# Altium PCB Mynd_Main.PcbDoc (part 3 of 5) (continued)
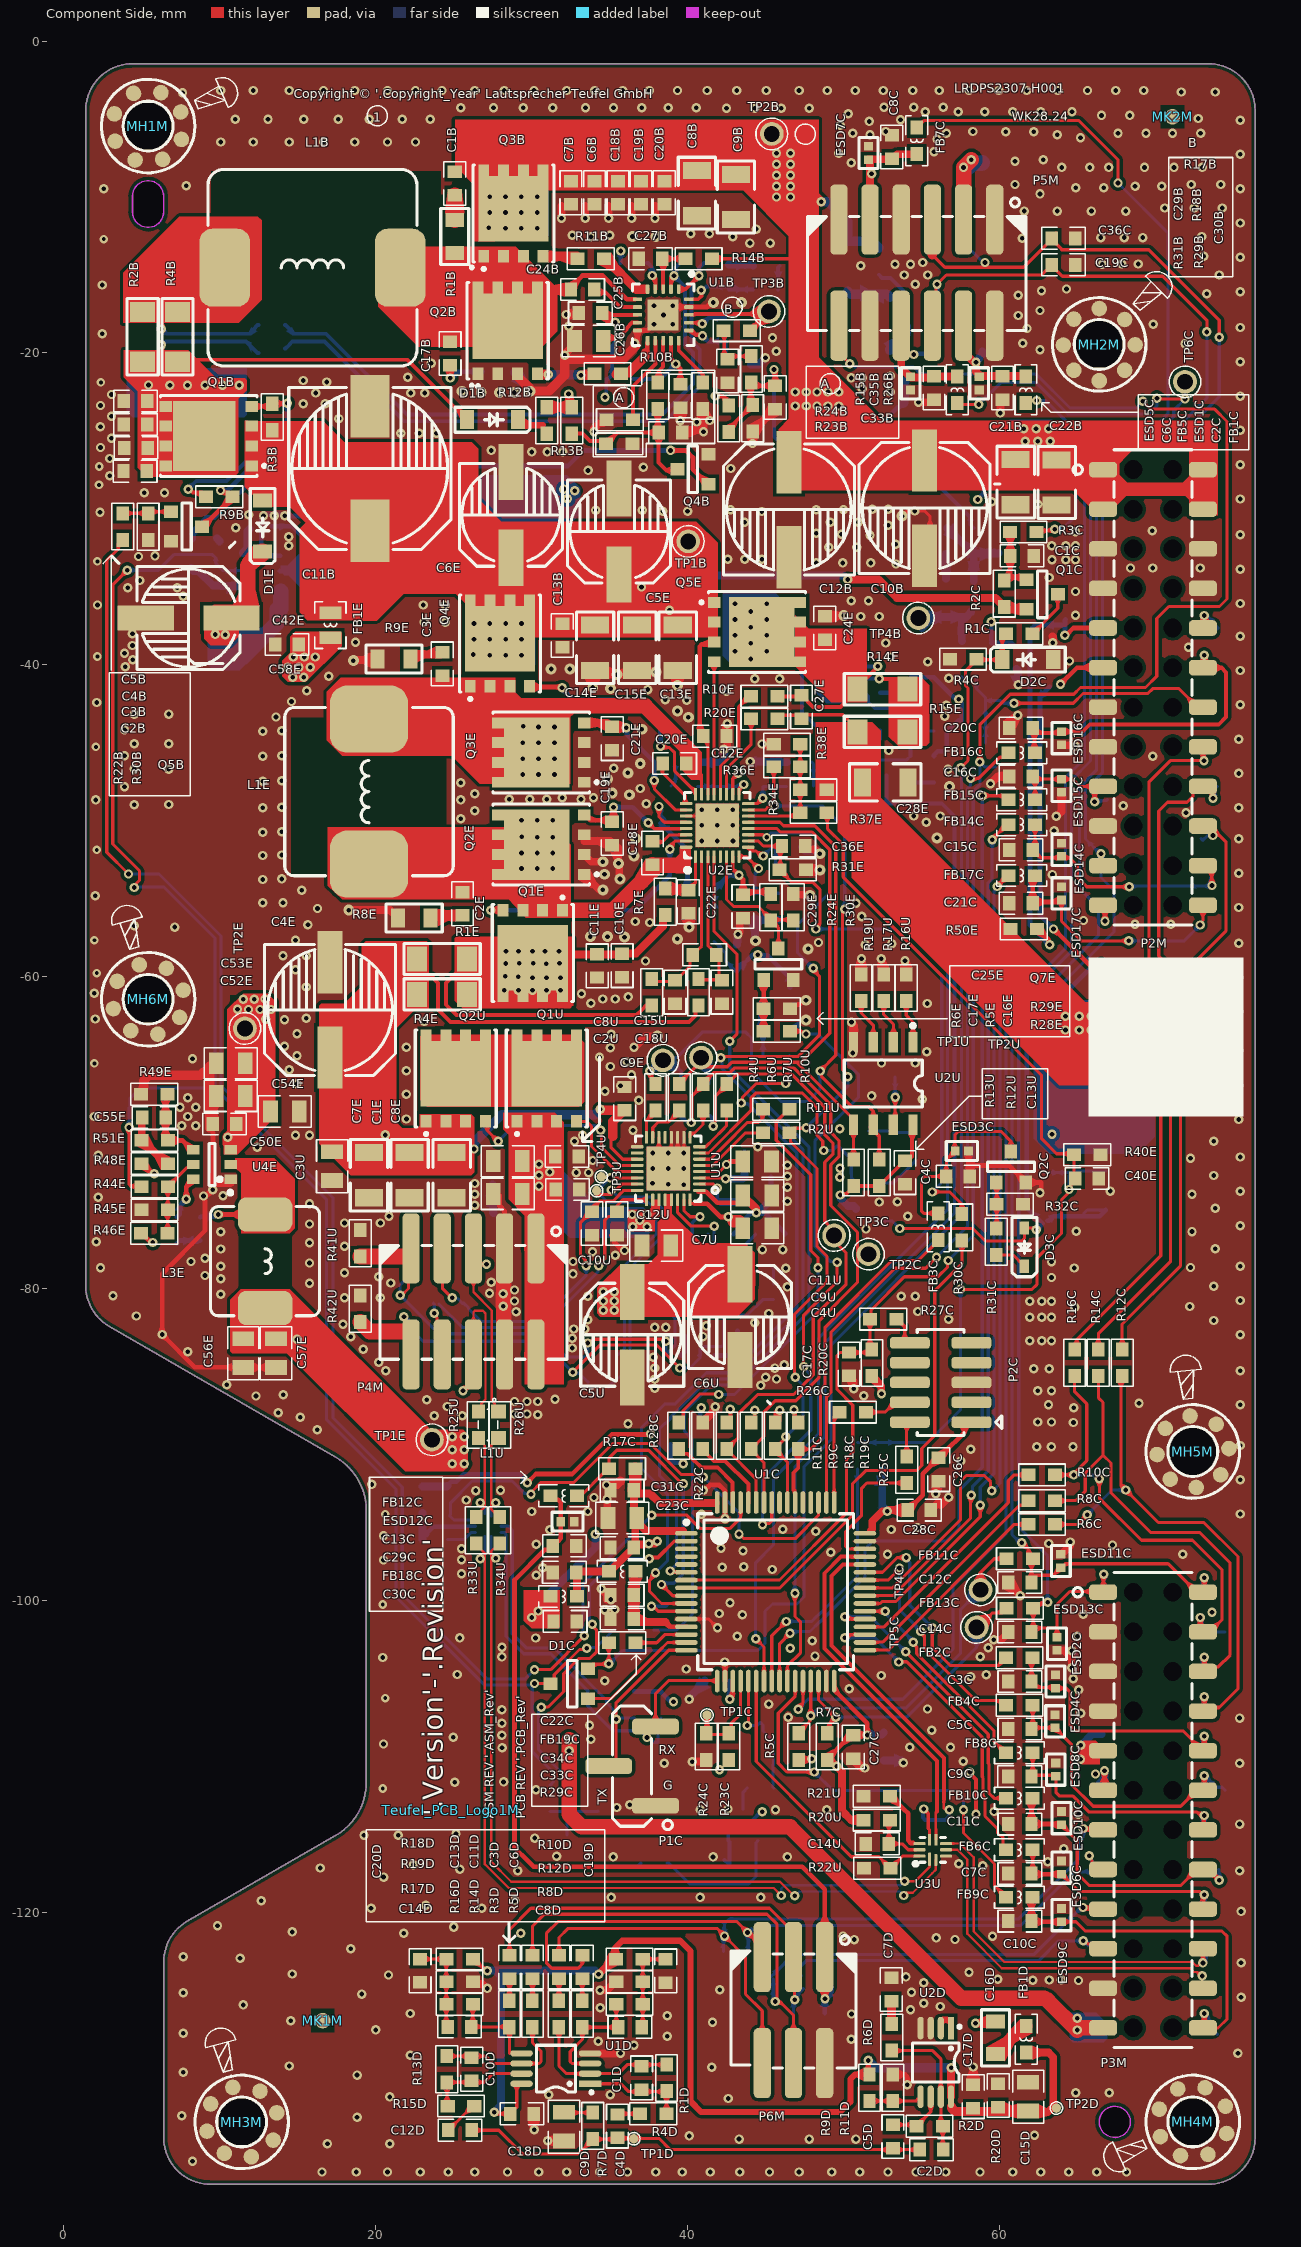
[diagram p0: Component Side view]
## Nets (pads, with @x,y where several pads share a name; then routed paths per layer and width w, separated by ;. In a path a pad name is that pad's centre, name@x,y a point inside that pad or via, vN(x,y) a via of type N, cw(c..) or ccw(c..) an arc to the next point about the centre after c; other vN are vias at no path point) (continued)
  Solder Side w0.8: C23E.2@19.517,-66.666 C23E.2@19.592,-66.432
  other v1: 16.551,-136.665 18.751,-136.665 20.751,-136.665 22.851,-136.665 24.651,-136.665 26.351,-136.666 28.451,-136.666 30.451,-136.666 32.251,-136.666 34.351,-136.666 36.151,-136.666 37.951,-136.666 39.651,-136.666 41.451,-136.666 43.351,-136.666 45.251,-136.666 47.151,-136.666 49.251,-136.666 51.051,-136.666 52.851,-136.666 54.651,-136.666 56.551,-136.666 58.751,-136.666 60.851,-136.666 62.651,-136.666 64.451,-136.666 66.251,-136.666 68.151,-136.666 8.251,-135.965 62.252,-134.297 7.551,-133.065 42.6,-131.95 31.105,-131.707 35.042,-131.707 64.887,-131.58 67.046,-131.58 7.651,-130.266 41.551,-129.95 14.451,-129.865 22.215,-129.167 36.566,-128.532 34.28,-128.278 50.5,-128.15 38.7,-127.95 7.651,-127.766 41.601,-127.065 14.551,-126.965 38.7,-126.65 50.517,-126.532 22.215,-126.5 54.3,-126.25 34.407,-126.119 56.2,-126.05 55.151,-125.85 7.651,-125.166 54.365,-125.133 42.067,-124.982 55.142,-124.532 65.067,-124.382 62.147,-124.357 63.2,-124.35 63.967,-124.332 59.892,-124.307 20.817,-124.032 14.651,-123.966 58.051,-123.85 7.651,-122.865 50.692,-121.757 57.151,-121.75 55.951,-121.65 59.551,-121.55 49.967,-121.532 14.651,-121.266 9.851,-120.865 12.651,-119.265 16.451,-117.165 58.933,-117.029 57.388,-116.898 63.092,-116.757 64.117,-115.932 19.251,-115.066 21.451,-115.066 25.151,-114.966 65.067,-113.732 59.656,-113.538 40.805,-113.425 45.642,-113.432 48.917,-113.432 42.596,-113.386 35.458,-113.284 36.297,-113.106 30.277,-112.141 25.07,-111.674 38.5,-110.45 57.683,-110.312 54.249,-109.427 56.861,-109.427 20.501,-109.216 33.8,-108.9 24.97,-108.774 28.092,-108.661 55.667,-108.333 33.706,-108.001 28.092,-107.874 46.452,-107.49 65.217,-107.232 28.092,-107.01 55.391,-106.971 65.092,-105.732 50.375,-105.675 34.696,-105.156 58.156,-104.91 52.421,-104.823 25.231,-104.757 59.152,-104.768 39.917,-104.407 20.451,-103.666 58.771,-103.608 48.175,-103.575 46.575,-103.075 59.279,-103.045 28.1,-103 47.992,-102.582 25.38,-102.41 30.251,-102.413 43.192,-102.307 64.992,-102.307 43.517,-100.932 65.375,-100.886 42.027,-100.846 73.63,-100.759 35.331,-100.584 42.717,-100.157 30.3,-98.4 25.5,-98.3 45.425,-98.025 30.7,-97.9 42.217,-97.882 43.6,-97.85 20.501,-97.416 25.5,-97.4 52.822,-97.036 71.751,-97.05 49.191,-96.925 43.552,-96.814 25.5,-96.7 42.142,-96.657 67.251,-96.45 30.3,-96.4 63.167,-96.357 20.5,-95.85 48.21,-95.56 31.171,-95.464 46.1,-95.45 53.067,-95.457 54.742,-95.332 40.897,-94.48 75.451,-94.465 30,-94.3 33.6,-94.3 25.81,-93.56 34,-93.4 26.41,-92.96 28,-92.93 19.751,-92.565 75.451,-92.265 57.521,-91.067 58.156,-90.305 64.719,-90.145 75.451,-90.065 16.251,-89.065 36.175,-88.675 64.745,-88.595 62.451,-88.565 63.337,-88.565 15.151,-88.266 23.751,-88.166 25.551,-88.166 30.4,-88.1 28.9,-88.05 29.7,-88.05 13.751,-87.965 64.77,-87.655 24.594,-87.565 63.151,-87.465 75.451,-87.465 68.951,-87.35 28.9,-87.25 29.7,-87.25 30.4,-87.25 23.267,-87.132 31.5,-87.1 12.319,-86.893 51.298,-86.876 14.072,-86.817 62.451,-86.565 63.337,-86.565 10.451,-86.165 37.9,-85.8 45.7,-85.8 20.651,-85.265 75.451,-85.265 20.19,-84.726 7.951,-84.065 19.2,-83.9 32.6,-83.82 61.946,-83.36 62.708,-83.36 63.337,-83.36 32.6,-83.2 18.4,-83.1 75.451,-82.966 32.7,-82.6 33.4,-82.6 17.9,-82.3 73.751,-82.05 33.6,-82 56.739,-81.963 61.946,-81.836 62.708,-81.836 63.337,-81.836 4.651,-81.766 45.2,-81.6 29,-81.5 54.765,-81.475 64.821,-81.209 72.2,-81.15 61.946,-80.82 62.708,-80.82 63.337,-80.82 28.9,-80.8 75.451,-80.766 18,-80.6 20.3,-80.6 33.6,-80.5 53.7,-80.5 54.6,-80.5 3.151,-80.466 10.051,-80.365 27.3,-80.3 28.9,-80.1 73.751,-79.85 15.751,-79.665 20.962,-79.65 27.4,-79.6 10.051,-79.365 63.337,-79.296 20.19,-79.25 9.051,-79.165 32.651,-79.065 18,-79 64.795,-78.689 2.351,-78.665 72.251,-78.65 10.051,-78.565 75.451,-78.565 15.751,-78.365 8.151,-78.265 32.651,-78.265 63.337,-78.28 9.051,-78.065 35.351,-77.865 33.9,-77.65 35.951,-77.565 10.051,-77.465 73.851,-77.45 18,-77.3 15.751,-77.065 2.082,-77.006 10.051,-76.365 72.351,-76.35 64.922,-76.327 51.439,-76.185 75.451,-75.966 15.751,-75.865 18,-75.8 20.3,-75.8 20.851,-75.365 54.127,-75.359 73.851,-74.85 26.351,-74.665 15.751,-74.565 52.3,-74.45 53.457,-74.43 2.2,-74.15 8.951,-74.065 10.2,-74.05 26.351,-73.965 72.351,-73.95 75.451,-73.766 39.762,-73.35 38.762,-73.308 26.351,-73.265 37.755,-73.246 49.764,-72.87 73.751,-72.75 32.851,-72.565 33.651,-72.565 37.762,-72.308 39.762,-72.308 49.779,-72.289 33.923,-71.793 72.251,-71.65 75.451,-71.566 2.2,-71.45 37.762,-71.308 38.762,-71.308 12.4,-70.95 44.5,-70.905 32.751,-70.565 73.751,-70.55 14.851,-70.165 15.751,-70.165 33.26,-70.16 36.5,-69.85 49.76,-69.75 7.551,-69.565 8.451,-69.565 75.351,-69.166 21.967,-69.132 1.951,-68.965 7.951,-68.965 7.451,-68.365 8.451,-68.365 36.867,-67.932 73.751,-67.95 7.951,-67.765 21.967,-67.532 34.7,-67.35 35.7,-67 14.951,-66.865 36.4,-66.3 21.967,-66.032 14.451,-65.965 35.051,-65.765 52.441,-65.54 54.6,-65.54 36.1,-65.45 73.5,-65.35 8.251,-65.265 34.351,-65.165 14.951,-65.065 50.6,-64.9 55.342,-64.818 35.051,-64.565 21.967,-64.532 14.151,-64.465 35.1,-63.7 14.951,-63.665 50.516,-62.913 23.104,-62.873 14.151,-62.765 2.001,-62.716 15.551,-62.665 55.375,-61.725 33.8,-61.7 34.567,-61.432 35.367,-61.432 36.2,-61.3 33.2,-61.1 1.951,-61.065 15.551,-60.665 75.351,-60.066 14.851,-59.565 37.3,-59 14.051,-58.665 15.551,-58.665 51.405,-57.96 53.1,-57.9 75.351,-57.866 48.397,-57.812 14.851,-57.665 15.651,-56.665 68.697,-56.65 70.983,-56.65 37.581,-56.531 36.651,-56.466 65.395,-56.396 16.267,-55.632 75.351,-55.565 50.8,-55.3 12.751,-55.265 14.051,-55.265 2.001,-54.816 15.251,-54.465 12.751,-53.765 13.98,-53.732 75.351,-53.365 12.751,-52.234 13.98,-52.2 40.9,-51.3 41.9,-51.3 42.916,-51.3 75.351,-51.165 12.751,-50.734 13.98,-50.7 40.9,-50.3 41.9,-50.3 42.9,-50.3 55.3,-50.1 25.451,-49.865 54.5,-49.7 56.2,-49.7 71.97,-49.49 26.351,-49.365 40.9,-49.3 41.9,-49.3 42.9,-49.3 12.751,-49.165 75.351,-49.165 13.98,-49.132 67.935,-49.03 4.506,-48.965 6.731,-48.96 37.342,-48.907 2.051,-48.665 25.451,-48.665 28.567,-48.632 29.867,-48.632 30.967,-48.632 33.167,-48.632 31.967,-48.532 33.967,-48.532 26.351,-48.265 36.967,-47.932 3.886,-47.828 59.426,-47.633 25.451,-47.565 12.751,-47.465 13.98,-47.432 75.351,-46.965 6.731,-46.694 56.7,-46.7 4.506,-46.665 35.267,-46.632 12.751,-45.865 69.84,-45.855 13.98,-45.832 3.886,-45.828 52.9,-45.5 4.506,-45.065 6.731,-45.06 75.351,-44.765 12.751,-44.265 13.98,-44.232 3.886,-44.163 13.6,-43.35 56.5,-43.3 4.506,-43.165 6.731,-43.16 56.6,-42.6 75.451,-42.566 2.101,-42.416 14.6,-42.35 39.951,-42.265 38.567,-42.232 42.5,-41.7 15.57,-41.656 37.447,-41.589 44.3,-40.9 45.9,-40.9 16.993,-40.742 75.451,-40.365 55.4,-39.8 64.492,-39.757 53,-39.5 3.886,-39.268 72.126,-38.87 4.394,-38.76 52.7,-38.6 18.7,-38.55 75.451,-38.165 4.394,-37.998 23.1,-37.25 24.451,-37.265 51.1,-36.9 52.3,-36.9 64.88,-36.824 2.151,-36.166 23.051,-36.165 24.451,-36.165 75.451,-36.066 50.5,-35.9 51.6,-35.9 7.645,-35.611 64.88,-35.3 7.279,-35.065 4.1,-35.05 4.863,-34.594 63.2,-34.4 75.451,-33.865 68.41,-33.79 69.84,-33.79 72.888,-33.79 53.367,-33.532 48.251,-33.466 49.951,-33.466 51.751,-33.466 63.374,-33.265 64.251,-33.265 64.88,-33.265 42.567,-33.232 43.667,-33.232 44.767,-33.232 4.783,-33.055 5.846,-33.017 49.051,-32.466 50.851,-32.466 14.412,-32.365 63.351,-32.366 64.251,-32.366 64.88,-32.366 53.351,-32.266 14.43,-31.786 51.7,-31.7 75.451,-31.665 49.867,-31.632 48.251,-31.565 64.88,-31.465 69.8,-31.4 11.029,-31.2 52.867,-31.049 43.651,-30.865 49.151,-30.865 50.951,-30.865 12.8,-30.45 13.5,-30.45 11.857,-30.372 2.318,-30.208 44.751,-30.165 42.751,-30.065 48.251,-30.065 50,-30.05 51.851,-30.033 52.867,-30.033 75.451,-29.366 5.151,-28.965 6.451,-28.965 2.951,-27.865 42.767,-27.407 75.451,-27.166 2.951,-26.765 2.351,-26.066 3.051,-25.465 22.8,-25.15 23.9,-25.15 75.451,-24.965 2.342,-24.732 3.051,-24.065 2.351,-23.366 15.351,-23.265 16.751,-23.265 75.451,-22.766 3.051,-22.665 16.151,-22.565 22.251,-22.565 23.151,-22.565 53,-22.5 51.2,-22.3 16.851,-21.865 15.351,-21.765 50.5,-21.6 51.2,-21.6 22.051,-21.565 53,-21.48 23.551,-20.665 75.451,-20.566 45.692,-19.882 62.6,-19.8 71.9,-19.4 61.5,-19.37 45.442,-19.032 2.451,-18.765 61.767,-18.432 75.451,-18.366 37.851,-18.165 39.051,-18.165 69.867,-18.162 61.2,-17.6 38.451,-17.565 62.601,-17.28 37.851,-16.966 39.051,-16.966 61.2,-16.3 73.3,-16.2 75.451,-16.066 62.7,-16 64.3,-15.9 2.451,-15.641 54.6,-15.6 53.9,-15 55.4,-15 74.1,-15 51.1,-14.4 53.3,-14.3 54.3,-14.3 66.6,-14.3 67.855,-14.295 68.897,-14.295 55.075,-14.2 75.451,-13.865 73.1,-13.8 61.457,-12.637 66.5,-12.6 68,-12.6 69.2,-12.6 72.967,-12.532 75.451,-11.665 61.6,-10.9 63.7,-10.9 65.9,-10.9 68.1,-10.9 70.6,-10.7 72.5,-10.7 74.3,-10.7 62.6,-9.8 2.551,-9.466 75.451,-9.466 64.9,-9.4 66.7,-9.4 68.7,-9.3 70.4,-9.3 7.851,-9.265 61,-9.2 72.3,-9.2 74.2,-9.2 64,-8.1 65.8,-8.1 67.02,-8.1 69.3,-8.1 71.2,-8.1 73,-8.1 50.5,-7.8 61,-7.7 62.8,-7.6 75.451,-7.265 49.7,-7.2 55.8,-7.1 10.051,-6.465 12.151,-6.465 14.451,-6.465 16.651,-6.465 18.651,-6.465 20.751,-6.465 22.551,-6.465 56,-6.3 65.2,-6.2 63.717,-6.003 51.7,-6 50.6,-5.9 56.6,-5.9 67.6,-5.9 69.4,-5.9 71.1,-5.9 72.9,-5.9 52.7,-5.8 58.3,-5.8 60.4,-5.82 62.2,-5.82 49.8,-5.4 51.651,-5.15 75.451,-5.065 53.651,-5.05 10.992,-5.015 13.092,-5.015 15.392,-5.015 17.592,-5.015 19.592,-5.015 21.692,-5.015 23.492,-5.015 72.751,-4.965 66.551,-4.765 68.351,-4.765 50.3,-4.65 55.251,-4.52 57.351,-4.52 59.051,-4.52 60.851,-4.52 62.651,-4.52 64.651,-4.52 42.5,-4.3 44.3,-4.3 46,-4.3 47.8,-4.3 25.451,-4.266 27.551,-4.266 29.451,-4.266 31.351,-4.266 33.451,-4.266 35.251,-4.266 37.051,-4.266 38.751,-4.266 40.551,-4.266 52.6,-4.25 54.5,-4.25 56.4,-4.25 7.61,-3.31 71.651,-3.266 73.851,-3.266 10.051,-3.165 12.151,-3.165 14.451,-3.165 16.651,-3.165 18.651,-3.165 20.751,-3.165 22.551,-3.165 24.251,-3.166 26.351,-3.166 28.251,-3.166 30.151,-3.166 32.251,-3.166 34.051,-3.166 35.851,-3.166 37.551,-3.166 39.351,-3.166 41.251,-3.166 43.151,-3.166 45.051,-3.166 47.151,-3.166 48.951,-3.166 50.751,-3.166 52.551,-3.166 54.451,-3.166 56.151,-3.166 58.051,-3.166 59.951,-3.166 61.751,-3.166 63.751,-3.166 65.651,-3.166 67.451,-3.166 69.251,-3.166
  other v2: 16.9,-134.85 20.9,-134.85 43.3,-134.55 47.8,-134.55 50.8,-134.55 40.1,-134.35 18.8,-133.15 20.9,-131.85 18.8,-130.45 75.3,-129.05 20,-127.55 11.5,-125.95 75.5,-125.45 19.1,-125.25 54,-124.15 75.5,-123.25 11.3,-122.95 18.4,-122.35 21.8,-121.35 29.3,-121.35 25,-120.95 75.5,-119.95 19.7,-119.75 26.8,-119.75 23.2,-119.55 28.9,-119.25 35.1,-119.05 40.8,-119.05 44.7,-119.05 20.5,-117.75 29.1,-117.35 75.4,-117.35 25.4,-117.25 22.4,-116.95 35.23,-116.453 41.631,-116.453 46.4,-116.453 31.6,-116.419 30.2,-115.25 75.4,-114.35 28.2,-111.65 75.4,-110.45 28.1,-109.45 75.4,-107.55 45.2,-106.65 28.092,-103.632 62.4,-90.15 63.332,-90.15 37.9,-86.4 44.7,-86.215 45,-85.7 62.2,-85.15 63.2,-85.15 45.6,-85.1 46.2,-84.9 40.986,-83.086 37.9,-82.5 38.6,-82.5 41.2,-82.4 44.3,-82.2 46.4,-79.9 46.3,-78.7 44.8,-77.5 46.1,-77.5 46.4,-74.4 67.1,-73.75 46.4,-73.5 46.4,-72.8 46.4,-72.1 55.048,-67.85 51.8,-67.65 75.351,-66.965 75.351,-64.765 75.351,-62.266 7.112,-56.82 4.502,-56.743 51.171,-56.142 63.4,-53.45 63.5,-50.65 38.4,-30.15 40,-30.15 34.1,-30.075 37.1,-30.075 62.467,-29.707 59.5,-29.55 33.617,-27.532 37.167,-27.332 30,-26.35 31,-26.35 32,-26.35 27.4,-26.25 21.617,-25.157 17.642,-24.207 32.378,-18.282 44,-12.95 45.3,-12.95 33.8,-12.55 42.9,-12.55 32.6,-12.45 35,-12.45 40.2,-12.35 41.4,-12.35 44.4,-12.05
  other v3: 38.07,-63.802 47.729,-58.214 35.951,-57.465 33.767,-57.432 34.867,-57.432 34.667,-53.432 36.551,-52.265 36.667,-51.132 56,-51.1 36.267,-48.332 35.167,-48.232 56.8,-47.8 34.867,-47.332 36.167,-46.932 36.961,-46.338 37.067,-44.132 40.051,-43.365 39.351,-42.965 35.067,-41.532 31.251,-40.265 32.451,-40.265 26.767,-22.532 27.942,-22.532 28.892,-22.532 25.542,-22.457 43.451,-16.765 36.467,-12.532 37.967,-12.532
  other v4: 20.451,-112.066 20.609,-106.274 20.451,-100.266 20.609,-94.474 1.951,-65.566 2.109,-59.774 1.951,-57.666 2.109,-51.874 2.051,-45.266 2.151,-39.465 2.151,-33.365 2.251,-28.465 2.267,-27.282 2.367,-21.882 2.559,-12.699
  other v5: 34.696,-100.609 35.077,-99.949
Hold_ON: D1C.1 U1C.15 | length 7.8
  Component Side w0.2: D1C.1@33.6,-106.3 35.114,-106.3 38.118,-103.296 38.714,-102.7 U1C.15@39.925,-102.7
HW_REV: R23C.2 R24C.2 TP1C.1 U1C.20 | length 6.3
  Component Side w0.2: TP1C.1@41.245,-107.363 41.245,-108.57 41.275,-108.6 R23C.2@42.65,-108.6 ; R23C.2@42.65,-108.525 42.801,-108.375 42.801,-107.892 43.4,-107.293 U1C.20@43.4,-105.175
I2C1_SCL: R7U.1 R9C.2 R23U.1 TP2C.1 U1C.58 | length 44.2
  Component Side w0.2: v1(40.229,-69.354) 40.291,-69.292 40.291,-67.639 40.991,-66.939 R7U.1@40.991,-66.889 40.991,-66.839 41.671,-66.159 42.707,-66.159 42.996,-65.87 46.831,-65.87 49.18,-68.219 49.18,-69.99 49.7,-70.51 49.7,-71.548 49.18,-72.068 49.18,-74.68 50.9,-76.4 50.9,-79.6 48.44,-82.06 48.44,-85.697 46.937,-87.2 45.62,-87.2 44.884,-87.936 44.884,-89.49 R9C.2@44.075,-90.3 44.075,-90.35 44.9,-91.175 U1C.58@44.9,-93.725
  Solder Side w0.2: R23U.1@39.36,-68.676 39.36,-68.726 39.911,-69.278 40.152,-69.278 v1(40.229,-69.354)
I2C1_SDA: R10U.1 R11C.2 R24U.1 TP3C.1 U1C.59 | length 42.9
  Component Side w0.2: v1(41.646,-69.604) 41.723,-69.527 41.723,-69.337 41.773,-69.287 41.773,-67.681 42.515,-66.939 R10U.1@42.515,-66.889 43.154,-66.25 46.674,-66.25 48.8,-68.376 48.8,-70.148 49.32,-70.668 49.32,-71.39 48.8,-71.91 48.8,-75.698 49.132,-76.03 TP3C.1@49.132,-76.418 ; U1C.59@44.4,-93.725 44.381,-93.706 44.381,-92.206 42.525,-90.35 R11C.2@42.525,-90.3 43.225,-89.6 43.225,-88.075 44.5,-86.8 46.8,-86.8 48.06,-85.54 48.06,-81.84 50.167,-79.733 50.167,-77.725 49.4,-76.958 TP3C.1@49.4,-76.6
  Solder Side w0.2: R24U.1@41.245,-68.716 41.545,-69.016 41.545,-69.394 41.646,-69.496 v1(41.646,-69.604)
intBat: C27E.2 C28E.1 P1M.6 P1M.7 P1M.8 Q3C.S R15E.1 R20E.1 R34E.1 R36C.2 R50E.1 TP1M.1 TP2M.1 | length 73.7
  Component Side w0.25: R20E.1@46.042,-43.233 46.988,-43.233 47.021,-43.2 49.95,-43.2 50.9,-44.15 R15E.1@50.9,-44.3 ; R15E.1@50.275,-44.327 R15E.1@50.275,-44.075 ; v1(58.115,-111.023) 58.115,-111.118 58.496,-111.499 v1(58.496,-113.716)
  Mid Layer 2 w0.25: v1(44.78,-113.552) 45.731,-114.503 57.614,-114.503 58.401,-113.716 v1(58.496,-113.716) ; v1(58.115,-111.023) 59.665,-111.023 63.942,-106.746 63.942,-78.029 63.86,-77.948 63.86,-70.591 v1(63.373,-70.104) ; v1(64.232,-63.421) v1(65.121,-63.421)
  Solder Side w0.25: R36C.2@42.366,-116.642 42.641,-116.917 R36C.2@42.686,-116.917 42.686,-115.486 Q3C.S@42.611,-115.411 42.611,-114.615 43.06,-114.166 44.087,-114.166 44.701,-113.552 v1(44.78,-113.552)
  other v1: 65.883,-63.421 66.645,-63.421 67.407,-63.421 68.169,-63.421 64.232,-62.532 65.121,-62.532 65.883,-62.532 66.645,-62.532 67.407,-62.532 68.169,-62.532
LDO_1V5: C11U.2 U1U.4 | length 3.1
  Component Side w0.2: U1U.4@40.762,-72.508 42.042,-72.508 v1(42.5,-72.05)
  Component Side w0.3: v1(42.5,-72.05) 42.692,-71.858 C11U.2@43.562,-71.858
LDO_3V3: C9U.2 C13U.1 Q4U.S Q5U.S R5U.1 R9U.1 R12U.2 R13C.1 R13U.2 R27U.2 R28U.1 R29U.1 U1U.1 U2U.8 | length 63.3
  Component Side w0.2: U1U.1@40.683,-73.787 U1U.1@40.762,-73.708
  Component Side w0.25: v1(49.8,-74) 49.867,-73.933 50.175,-73.933 50.643,-73.465 R13U.2@50.643,-73.415 ; R13U.2@50.644,-73.415 R12U.2@52.294,-73.415 52.294,-73.365 52.569,-73.09 52.619,-73.09 53.614,-72.095 53.847,-72.095 54.397,-71.545 U2U.8@54.397,-69.634
  Component Side w0.3: v1(29.725,-92.45) 30.278,-91.897 32.603,-91.897 35.136,-89.364 37.563,-89.364 v1(37.62,-89.306) ; U1U.1@40.683,-73.787 41.187,-73.787 41.9,-74.5 43.217,-74.5 43.542,-74.175 C9U.2@43.542,-74.032
  Component Side w0.5: C9U.2@43.542,-74.032 44.384,-74.874 44.384,-75.128 v1(44.404,-75.147)
  Mid Layer 2 w0.3: v1(37.62,-89.306) 40.544,-86.383 ; 40.838,-86.383 40.544,-86.383 ; v1(40.868,-87.652) 40.859,-87.642 40.859,-86.147 40.819,-86.108 ; v1(44.404,-75.147) 44.4,-75.151 44.4,-76.15 43.4,-77.15 43.4,-83.527 40.819,-86.108 ; 40.544,-86.383 40.819,-86.108
  Mid Layer 2 w0.5: v1(44.404,-75.147) 48.653,-75.147 v1(49.8,-74)
  Solder Side w0.3: R29U.1@24.6,-92.65 24.85,-92.4 25.177,-92.4 25.657,-91.92 29.195,-91.92 v1@29.725,-92.45 ; R13C.1@40.7,-88.25 40.811,-88.139 40.811,-87.709 v1(40.868,-87.652) ; Q5U.S@42.95,-76.5 43.2,-76.25 43.2,-76.024 44.019,-75.205 44.346,-75.205 v1(44.404,-75.147) ; v1@44.461,-75.205 45.005,-75.205 46.25,-76.45 Q4U.S@46.25,-76.5 ; R5U.1@45.35,-74.45 R9U.1@45.35,-72.85
  Solder Side w0.5: R28U.1@23,-92.7 24.55,-92.7 R29U.1@24.6,-92.65 ; v1(44.404,-75.147) 44.423,-75.128 44.522,-75.128 45.2,-74.45 R5U.1@45.25,-74.45 R5U.1@45.35,-74.45 ; v1(49.8,-74) 49.819,-74.019 49.819,-74.238 50.281,-74.7 50.65,-74.7 50.8,-74.85 R27U.2@50.8,-74.9
Line_L_N: C6D.2 C22D.1 P3M.15 P6M.5 TP23M.1 TP66M.1 | length 47.9
  Component Side w0.2: C6D.2@33.25,-122.775 33.25,-123.324 32.979,-123.595 31.292,-123.595 30.942,-123.245 30.942,-121.357 31.692,-120.607 43.167,-120.607 43.667,-121.107 44.792,-122.232 P6M.5@44.792,-122.882 ; 65.943,-116.675 65.943,-116.871 66.331,-117.26 P3M.15@66.65,-117.26
  Solder Side w0.2: v1(43.842,-121.307) TP66M.1@44.092,-121.057 ; C22D.1@43.892,-122.532 43.892,-121.432 TP66M.1@44.192,-121.132 ; TP66M.1@44.367,-120.857 61.359,-120.857 64.799,-117.417 66.14,-117.417 TP23M.1@66.247,-117.31 66.247,-117.039 65.96,-116.752 65.96,-116.692 65.756,-116.488 v1(65.756,-116.38)
Line_L_P: C3D.2 C21D.1 P3M.13 P6M.6 TP21M.1 TP67M.1 | length 51.7
  Component Side w0.2: C3D.2@31.75,-122.775 31.75,-121.624 32.317,-121.057 41.917,-121.057 42.367,-121.507 v1(42.367,-121.532) 43.717,-122.882 43.717,-125.257 44.792,-126.332 P6M.6@44.792,-129.682 ; v1(65.367,-114.632) 65.411,-114.676 66.606,-114.676 P3M.13@66.65,-114.72
  Solder Side w0.2: TP67M.1@42.217,-120.607 TP67M.1@42.292,-120.682 ; C21D.1@42.292,-122.532 42.292,-121.607 v1(42.367,-121.532) ; TP67M.1@42.292,-120.982 42.292,-121.457 v1(42.367,-121.532) ; v1(65.367,-114.632) 65.367,-115.168 65.055,-115.48 65.055,-116.624 61.247,-120.432 42.917,-120.432 42.916,-120.433 42.679,-120.433 42.367,-120.745 42.367,-120.982 42.367,-121.457 v1(42.367,-121.532)
Line_R_N: C13D.2 C24D.1 P3M.19 P6M.3 TP31M.1 TP64M.1 | length 49.8
  Component Side w0.2: C13D.2@28.575,-122.775 28.575,-121.124 29.949,-119.75 45.252,-119.75 46.256,-120.755 46.27,-120.755 46.867,-121.352 v1(46.867,-125.607) ; v1(65.375,-121.841) 65.483,-121.841 65.675,-122.033 66.343,-122.033 P3M.19@66.65,-122.34
  Solder Side w0.2: C24D.1@46.792,-126.487 46.792,-125.682 v1(46.867,-125.607) 46.867,-125.457 TP64M.1@47.417,-124.907 ; TP64M.1@47.192,-124.682 47.192,-123.532 47.637,-123.087 62.545,-123.087 63.791,-121.841 v1(65.375,-121.841) ; v1@65.483,-121.841 65.982,-122.34 TP31M.1@66.247,-122.34
Line_R_P: C11D.2 C23D.1 P3M.17 P6M.4 TP27M.1 TP65M.1 | length 52.3
  Component Side w0.2: C11D.2@30.05,-122.775 30.05,-120.899 30.817,-120.132 45.096,-120.132 45.742,-120.778 45.742,-125.507 45.717,-125.532 46.792,-126.607 P6M.4@46.792,-129.682 ; v1(65.356,-119.697) 65.408,-119.748 66.598,-119.748 P3M.17@66.65,-119.8
  Solder Side w0.2: C23D.1@45.267,-124.177 45.317,-124.177 45.617,-123.877 46.787,-122.707 62.24,-122.707 65.25,-119.697 v1(65.356,-119.697) ; C23D.1@45.492,-124.282 45.492,-125.607 v1(45.617,-125.732)
M_DET: R11U.2 R28C.2 | length 26.6
  Component Side w0.2: R28C.2@39.425,-88.6 39.725,-88.3 39.725,-87.825 40.792,-86.759 41.959,-86.759 v1(42,-86.8) ; R11U.2@46.54,-68.501 46.49,-68.501 45.69,-69.301 45.69,-70.49 47.9,-72.7 47.9,-77.567 48.36,-78.027 v1(48.36,-78.664)
  Solder Side w0.2: v1@42.009,-86.8 43.012,-86.8 48.36,-81.452 v1(48.36,-78.664)
MCU_RST: C17C.1 P5M.12 R20C.1 R27C.1 TP68M.1 U1C.7 | length 132.2
  Component Side w0.2: U1C.7@39.925,-98.7 45.89,-98.7 50.197,-94.393 50.197,-90.927 50.592,-90.532 50.592,-87.482 49.58,-86.47 49.58,-84.294 49.769,-84.105 C17C.1@50.35,-84.105 51.645,-84.105 R20C.1@51.825,-83.925 51.698,-83.798 R27C.1@51.698,-81.963 51.769,-81.892 51.769,-81.381 53.9,-79.25 56.05,-79.25 56.681,-78.619 56.681,-78.243 v1(56.717,-78.207) ; P5M.12@49.7,-18.25 49.823,-18.373 49.823,-20.098 50.4,-20.675 v1(50.4,-20.7) ; v1(58.742,-46.232) 58.742,-43.834 60.69,-41.886 64.776,-41.886 65.202,-41.46 69.364,-41.46 70.092,-40.732 70.092,-37.032 70.866,-36.258 74.116,-36.258 74.597,-35.777 74.597,-24.397 73.8,-23.6 69.7,-23.6 v1(69.2,-23.1)
  Solder Side w0.2: v1(50.4,-20.7) 50.508,-20.7 50.708,-20.9 54.487,-20.9 54.947,-21.36 62.36,-21.36 64.53,-23.53 68.77,-23.53 v1(69.2,-23.1) ; v1(56.717,-78.207) 58.32,-76.604 58.32,-48.107 58.742,-47.685 v1(58.742,-46.232) 59.067,-46.557 TP68M.1@59.742,-46.557
MCU_RX: C3C.1 ESD2C.2 FB2C.2 P3M.10 TP16M.1 | length 17.4
  Component Side w0.2: FB2C.2@62.056,-103.758 C3C.1@62.056,-105.204 62.437,-105.585 ESD2C.2@63.592,-105.585 ; ESD2C.2@63.592,-105.632 64.292,-105.632 64.517,-105.857 64.517,-107.982 64.917,-108.382 71.792,-108.382 P3M.10@73.05,-109.64 73.142,-109.548 v1(73.142,-108.72)
  Solder Side w0.2: TP16M.1@73.05,-109.64 73.096,-109.594 73.096,-108.766 v1(73.142,-108.72)
MCU_TX: C5C.1 ESD4C.2 FB4C.2 P3M.12 TP18M.1 | length 19.2
  Component Side w0.2: C5C.1@62.056,-108.252 C5C.1@62.134,-108.174 ; FB4C.2@62.134,-106.728 C5C.1@62.134,-108.174 ; ESD4C.2@63.567,-108.182 64.615,-109.23 64.615,-111.811 66.01,-113.206 71.624,-113.206 72.65,-112.18 P3M.12@73.05,-112.18 73.142,-112.088 v1(73.142,-111.26) ; ESD4C.2@63.567,-108.169 62.139,-108.169 C5C.1@62.134,-108.174
  Solder Side w0.2: v1(73.142,-111.26) 73.871,-111.989 74.276,-111.989 TP18M.1@74.467,-112.18
MCU_WkUp: D1C.2 D2C.K R1C.1 R4C.2 R29C.2 | length 86.6
  Component Side w0.2: D1C.2@33.6,-104.4 33.9,-104.1 34.916,-104.1 v1(34.951,-104.065) 34.951,-102.728 R29C.2@34.961,-102.718 ; v1(57.517,-46.607) 57.98,-46.144 57.98,-41.484 57.834,-41.337 57.834,-40.381 58.542,-39.672 R4C.2@58.544,-39.672 ; R4C.2@58.517,-39.632 58.557,-39.672 D2C.K@60.184,-39.672 60.184,-38.24 R1C.1@60.417,-38.007
  Solder Side w0.2: v1(34.951,-104.065) 34.992,-104.065 35.851,-103.207 44.517,-103.207 44.967,-102.757 44.967,-100.707 45.442,-100.232 47.021,-100.232 47.465,-99.788 47.465,-91.434 49.2,-89.699 49.2,-83.633 57.56,-75.273 57.56,-46.65 v1(57.517,-46.607)
NetC1B_2: C1B.2 R1B.2 | length 1.6
  Component Side w1: R1B.2@25.067,-11.482 C1B.2@25.067,-9.887
NetC1C_1: C1C.1 Q1C.G R2C.1 R3C.1 | length 4.1
  Component Side w0.3: R3C.1@60.692,-31.482 60.692,-33.002 C1C.1@60.697,-33.007 60.697,-34.37 61.424,-34.37 61.617,-34.563 61.617,-34.582 61.692,-34.582 Q1C.G@61.742,-34.532
NetC1D_1: C1D.1 R1D.2 R4D.2 U1D.1 | length 5.8
  Component Side w0.2: 34.52,-131.005 35.725,-131.005 36.225,-131.505 38.625,-131.505 R1D.2@38.65,-131.48 R4D.2@38.65,-132.93
NetC1D_2: C1D.2 R1D.1 R3D.2 U1D.2 | length 10.4
  Component Side w0.2: R3D.2@31.75,-127.38 31.75,-129.872 32.233,-130.355 U1D.2@33.175,-130.355 ; R1D.1@38.65,-129.78 36.125,-129.78 35.55,-130.355 34.52,-130.355 U1D.2@33.75,-130.355 ; U1D.2@33.175,-130.355 U1D.2@33.75,-130.355 ; U1D.2@33.175,-130.355 U1D.2@33.75,-130.355
NetC1U_2: C1U.2 R1U.2 | length 1.8
  Solder Side w0.5: C1U.2@27.492,-73.332 27.521,-73.361 27.521,-75.121 R1U.2@27.55,-75.15
NetC2B_2: C2B.2 C3B.2 C4B.1 C5B.1 C14B.2 C15B.2 C16B.2 D1B.A Q1B.5 Q1B.6 Q1B.7 Q1B.8 R2B.1 R4B.1 R5B.1 | length 40.5
  Component Side w0.25: C2B.2@5.322,-27.582 5.322,-23.097 C5B.1@5.337,-23.082 ; v1(5.425,-22.057) 5.425,-22.994 C5B.1@5.337,-23.082 ; C3B.2@5.587,-26.015 C5B.1@5.587,-23.1 ; C2B.2@5.597,-27.5 C3B.2@5.597,-26.025 ; 6.151,-20.365 6.292,-20.224 6.261,-20.193 v1(6.261,-19.465) ; Q1B.5@6.542,-23.427 6.197,-23.082 C5B.1@5.337,-23.082 ; R4B.1@6.867,-20.432 22.007,-20.432 D1B.A@25.857,-24.282 ; v1(10.175,-22.075) v1(11.249,-22.075)
  Solder Side w0.25: v1(6.261,-19.465) 6.355,-19.465 6.555,-19.265 11.691,-19.265 12.425,-20 R5B.1@12.475,-20
  other v1: 6.8,-22.075 7.925,-22.075 9.05,-22.075
NetC2D_1: C2D.1 R2D.2 R6D.1 U2D.7 | length 9.3
  Component Side w0.2: R6D.1@53.092,-128.882 55.717,-128.882 56.242,-129.407 U2D.7@56.242,-131.832 56.242,-133.607 R2D.2@56.367,-133.732 56.367,-135.212 C2D.1@56.387,-135.232
NetC2D_2: C2D.2 C4D.1 C5D.2 C12D.1 R7D.1 TP1D.1 | length 30
  Component Side w0.2: C12D.1@26.162,-133.982 27.892,-133.982 29.417,-135.507 32.973,-135.507 R7D.1@33.925,-134.555 35.475,-134.555 35.525,-134.505 36.55,-134.505 38.167,-134.505 38.894,-135.232 C5D.2@53.167,-135.232 ; C5D.2@53.217,-135.232 C2D.2@54.887,-135.232
NetC2E_1: C2E.1 R8E.1 | length 2.1
  Component Side w0.7: R8E.1@23.517,-56.232 23.517,-56.177 23.617,-56.077 C2E.1@25.567,-56.077
NetC2E_2: C2E.2 C18E.1 L1E.1 Q1E.1 Q1E.2 Q1E.3 Q2E.5 Q2E.6 Q2E.7 Q2E.8 U2E.32 | length 10.3
  Component Side w0.2: 39.604,-52.85 39.9,-52.554 U2E.32@39.9,-51.7
  Component Side w1: Q1E.1@31.977,-55.732 35.218,-55.732 37.75,-53.2 C18E.1@37.75,-52.82 ; C18E.1@37.75,-52.85 39.604,-52.85
  other v1: 29.351,-53.065 30.351,-53.065 31.351,-53.065 29.351,-52.065 30.351,-52.065 31.351,-52.065 30.351,-51.065 31.351,-51.065 29.367,-51.032 29.351,-49.965 30.351,-49.965 31.351,-49.965
NetC3D_1: C3D.1 R3D.1 | length 1.4
  Component Side w0.2: R3D.1@31.75,-125.68 C3D.1@31.75,-124.33
NetC3E_1: C3E.1 R9E.1 | length 2.3
  Component Side w0.5: R9E.1@22.217,-39.632 22.217,-39.532 22.417,-39.332 24.122,-39.332 C3E.1@24.267,-39.187
NetC3E_2: C3E.2 C20E.2 L1E.2 Q3E.5 Q3E.6 Q3E.7 Q3E.8 Q4E.1 Q4E.2 Q4E.3 U2E.23 | length 28.5
  Component Side w0.2: C20E.2@39.967,-46.332 39.967,-45.707 ; C20E.2@40.273,-46.451 40.9,-47.078 U2E.23@40.9,-48.3
  Component Side w0.5: L1E.2@21.136,-44.522 27.768,-44.522 27.95,-44.34 ; Q4E.2@27.16,-41.25 Q4E.3@28.43,-41.25
  Component Side w0.7: Q3E.8@28.243,-45.32 29.71,-45.32 29.777,-45.253 Q3E.8@30.055,-44.975
  Component Side w1: 27.95,-44.34 28.459,-44.34 28.672,-44.127 Q3E.8@29.022,-43.777 ; Q3E.8@28.367,-43.822 29.022,-43.822 29.767,-43.822 30.743,-43.822 Q3E.8@31.877,-43.822 ; Q3E.8@31.759,-44.188 31.917,-44.03 31.917,-43.218 32.503,-42.632 37.267,-42.632 39.967,-45.332 39.967,-45.707
  other v1: 29.427,-47.036 30.443,-47.036 31.459,-47.036 29.427,-46.02 30.443,-46.02 31.459,-46.02 29.427,-45.004 30.443,-45.004 31.459,-45.004 30.443,-43.988 31.459,-43.988 29.467,-43.932